# Altium PCB ANTS-DCU_RevB1.PCBDOC (part 1 of 3)
Units mm, origin at the board's own origin, x right, y up, seen from the top; angles counter-clockwise.
Board outline 195.05 x 85.05 mm, 2 copper layers (TopLayer, BottomLayer); 186 components, 183 nets, 986 pads, 355 vias.
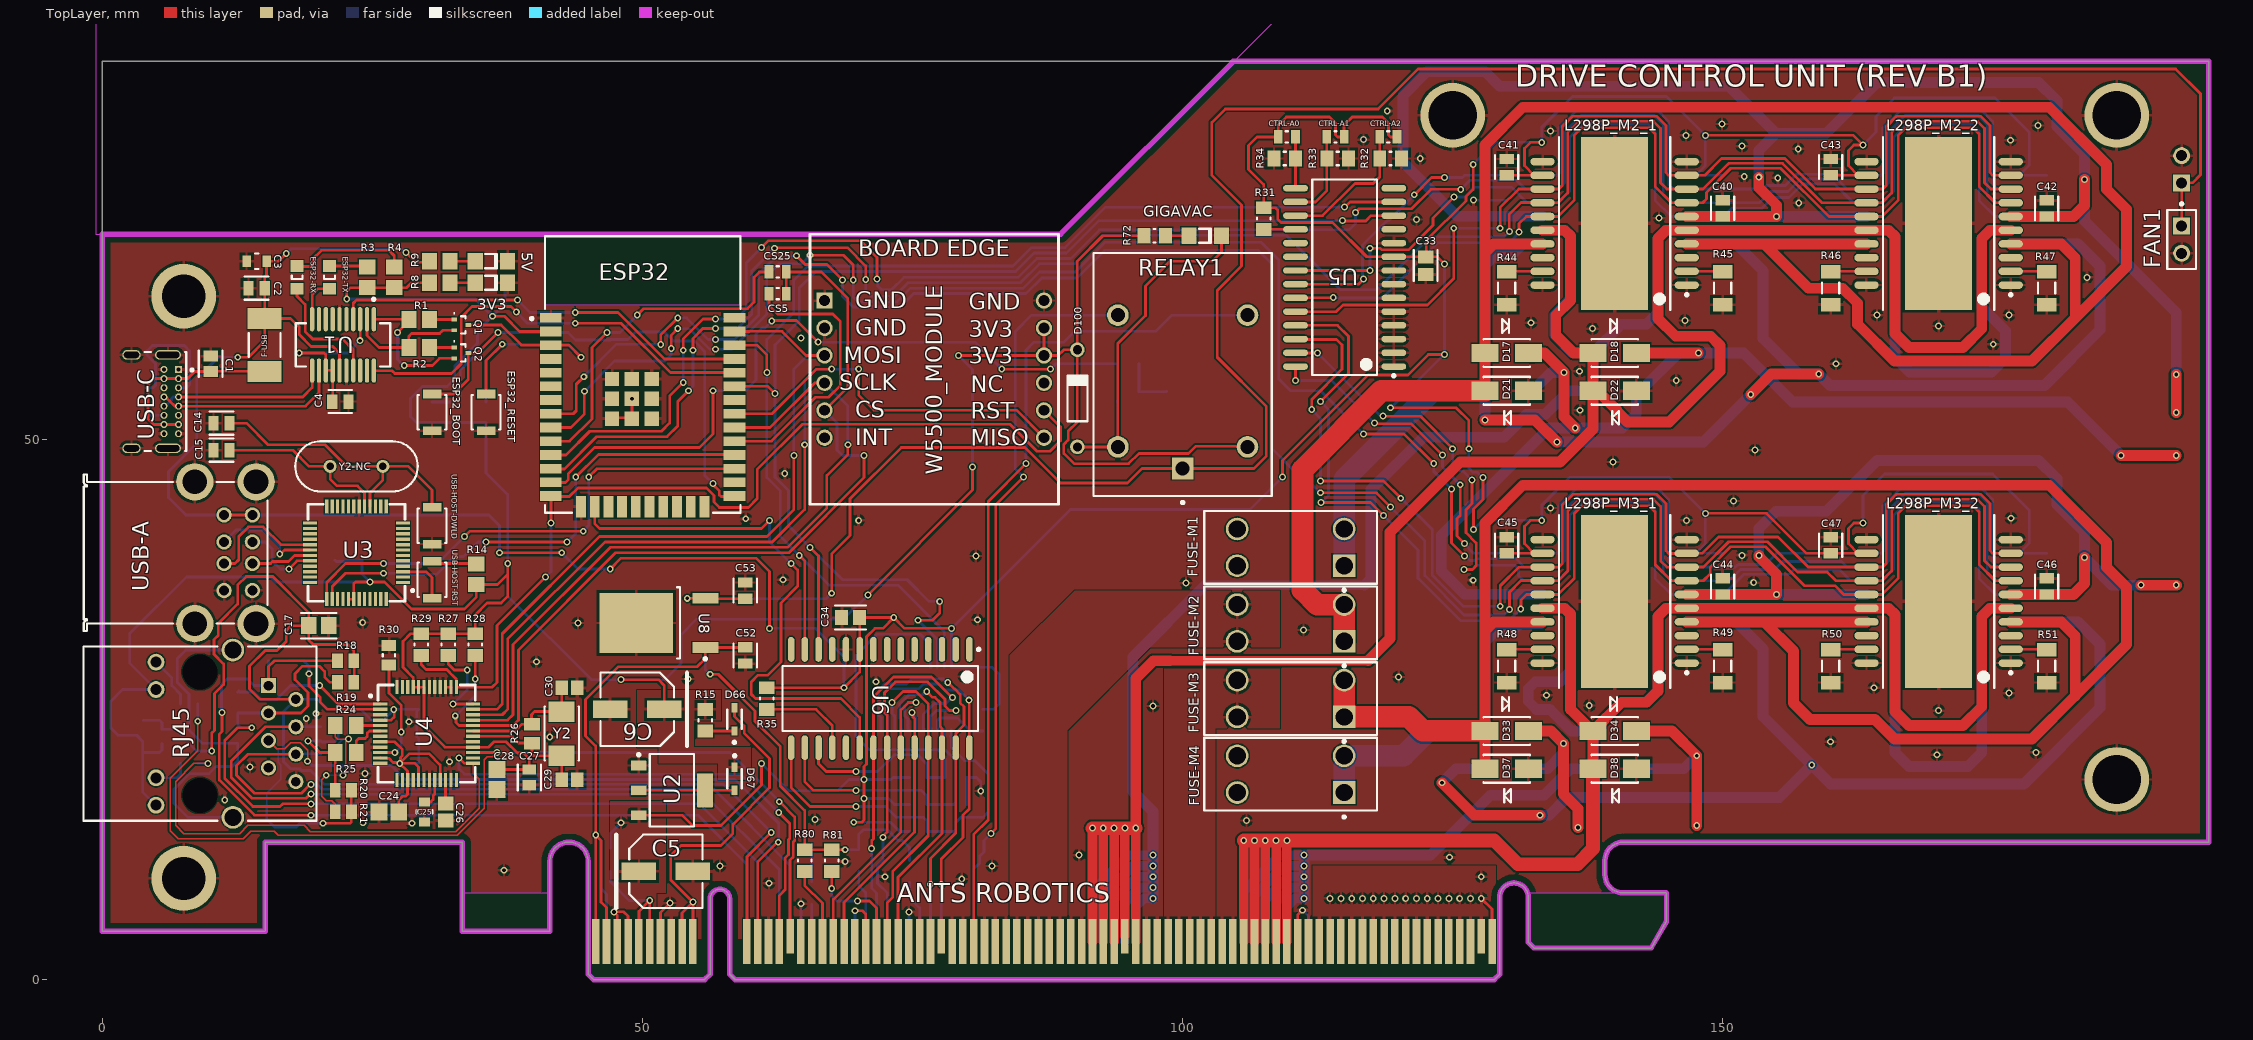
[diagram p0: TopLayer view]
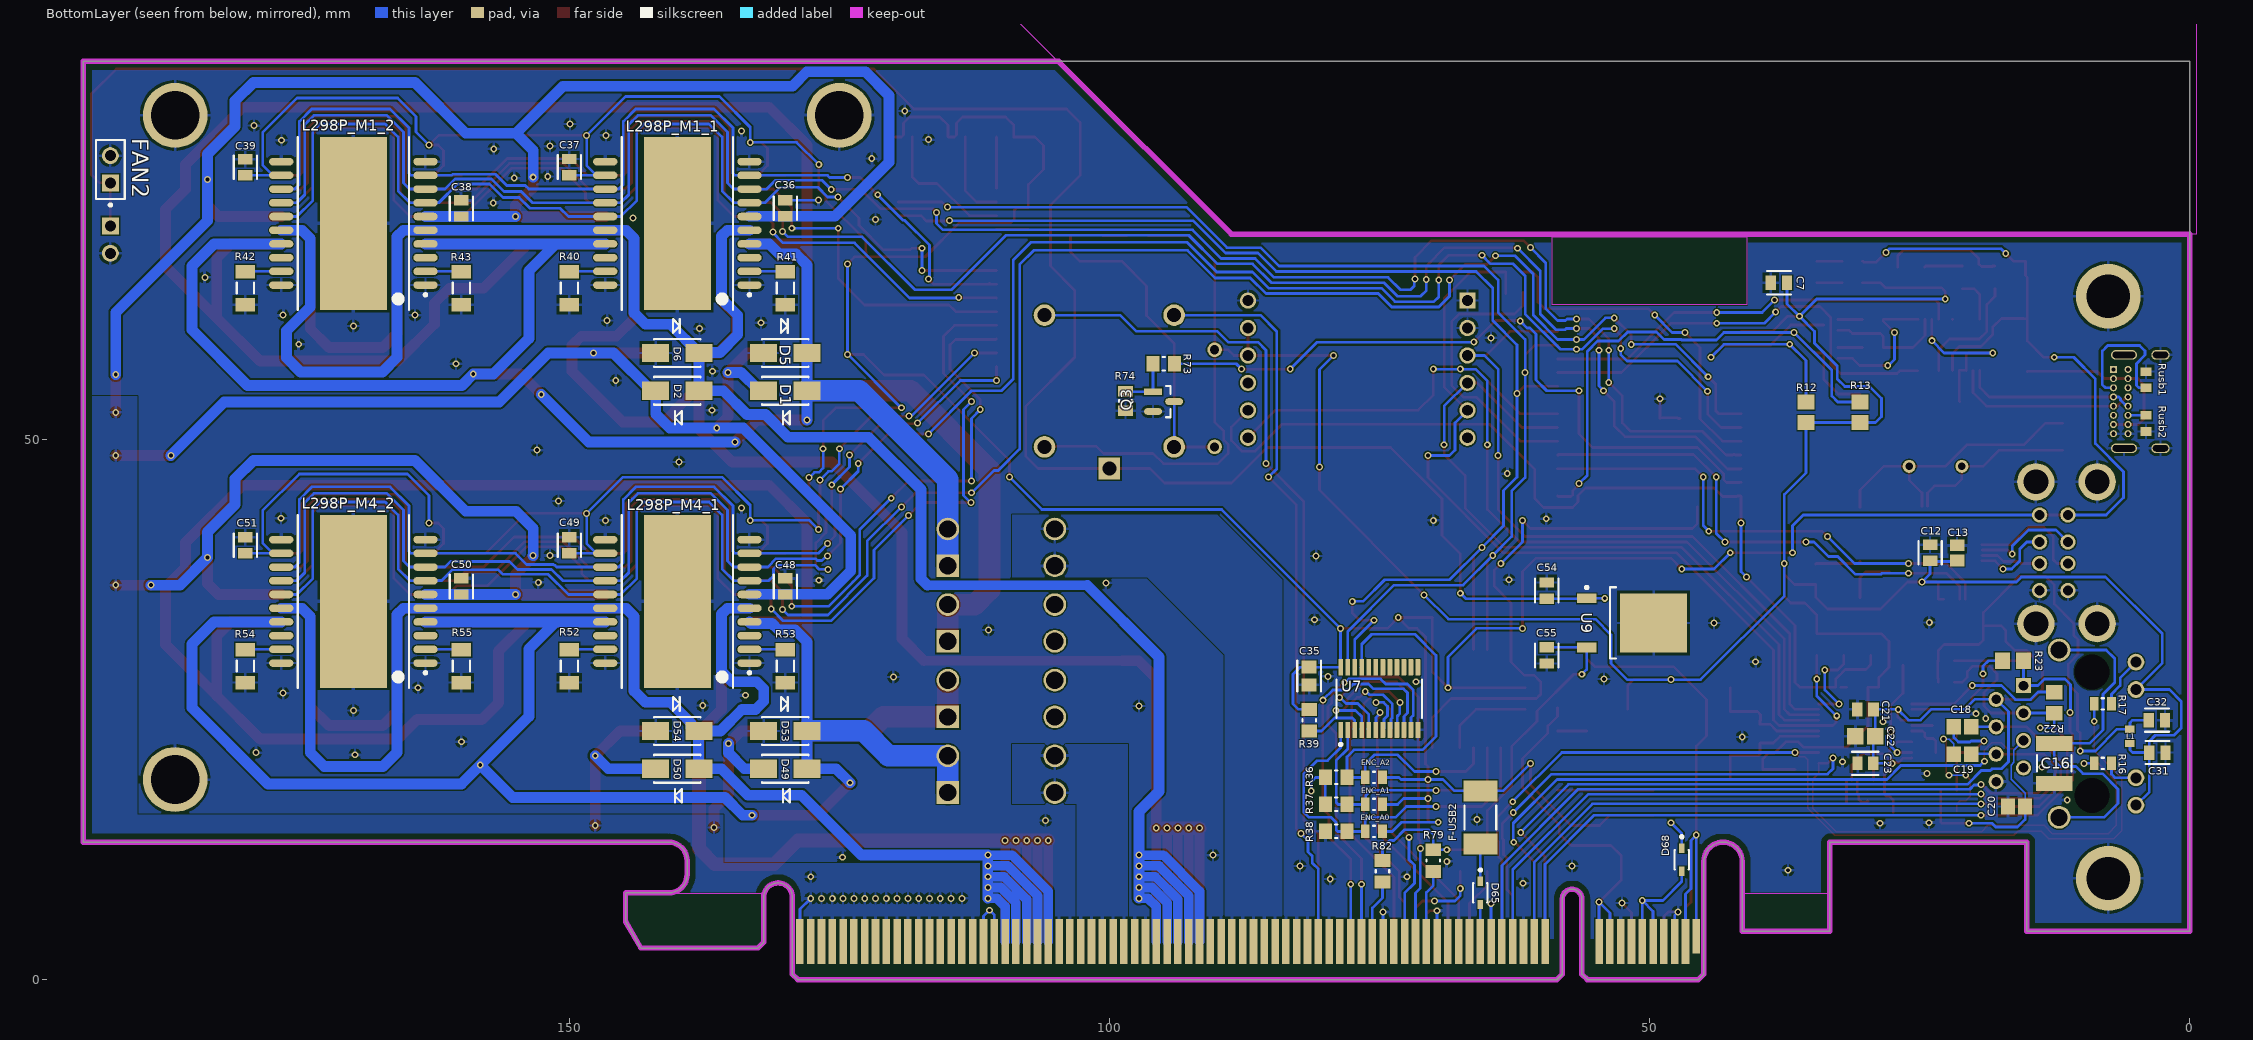
[diagram p1: BottomLayer view, seen from below]
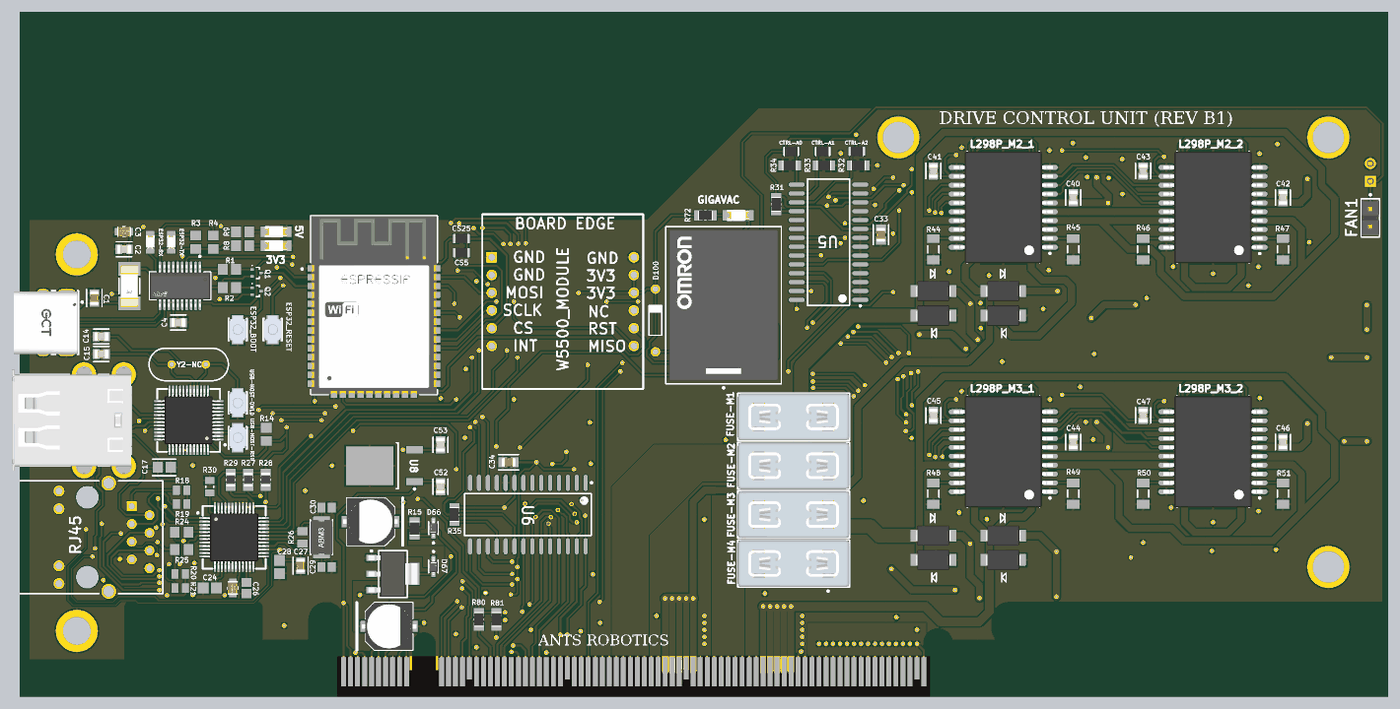
[diagram p4: 3D render of the assembled board from above, using the file's embedded part models]
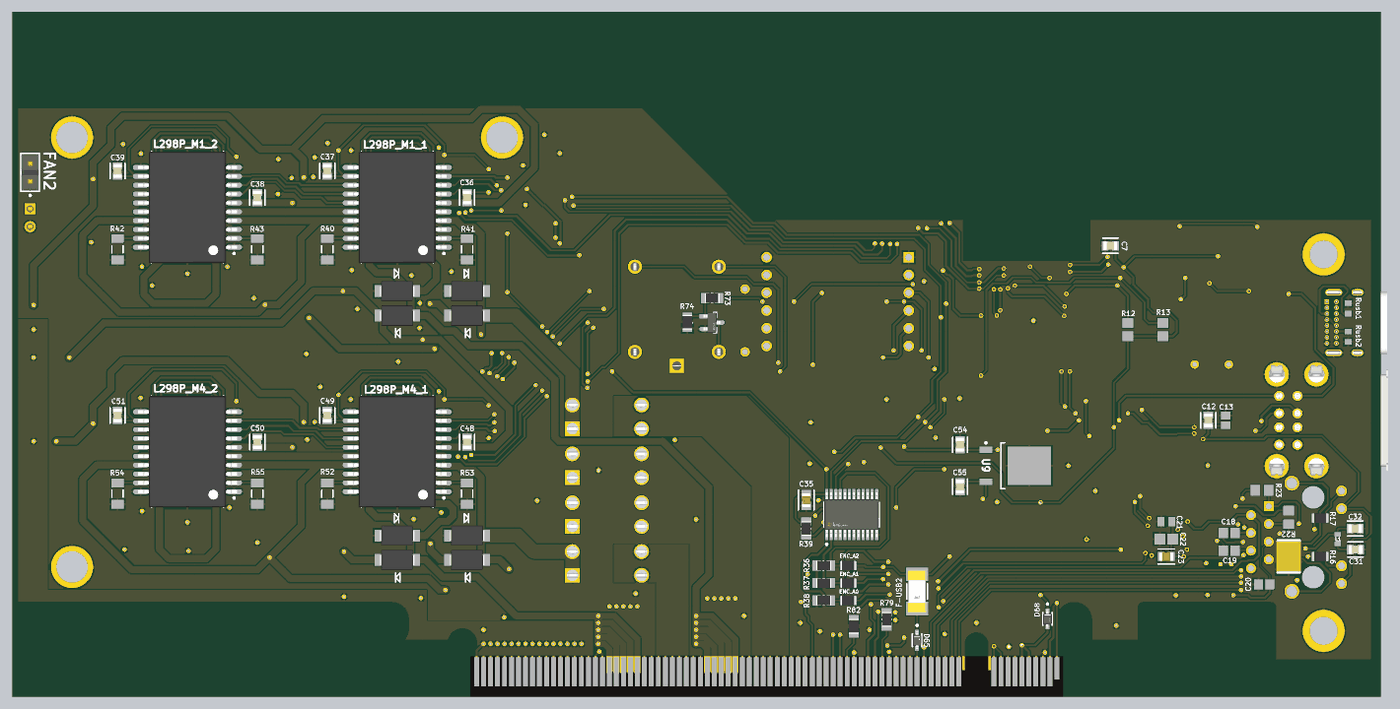
[diagram p5: 3D render of the assembled board from below, using the file's embedded part models]

## Layer stack, top to bottom
TopSolder: solder mask 0.0102, Solder Resist, Dk 3.5
TopLayer: signal copper 0.035
Dielectric1: core 0.32, FR-4, Dk 4.8
BottomLayer: signal copper 0.035
BottomSolder: solder mask 0.0102, Solder Resist, Dk 3.5

## Board outline
44.965,0.464 cw(c45,0.5) 44.95,0.5 44.95,10.925 ccw(c43.175,10.925) 41.4,10.925 41.4,4.5 cw(c41.35,4.5) 41.35,4.45 33.35,4.45 cw(c33.35,4.5) 33.3,4.5 33.3,12.7 15.05,12.7 15.05,4.5 cw(c15,4.5) 15,4.45 0,4.45 cw(c0,4.5) -0.05,4.5 -0.05,85 195,85 195,12.7 140.8,12.7 ccw(c140.8,11) 139.1,11 139.1,9.7 ccw(c140.8,9.7) 140.8,8 144.75,8 cw(c144.75,7.95) 144.8,7.95 144.8,5.375 cw(c144.751,5.375) 144.794,5.35 143.394,2.925 cw(c143.35,2.95) 143.35,2.9 132.55,2.9 cw(c132.55,2.95) 132.514,2.915 132.014,3.414 cw(c132.05,3.45) 132,3.45 132,7.605 ccw(c130.675,7.605) 130.675,8.93 ccw(c130.675,7.605) 129.35,7.605 129.35,0.5 cw(c129.301,0.5) 129.335,0.464 128.836,-0.036 cw(c128.8,0) 128.8,-0.05 58.6,-0.05 cw(c58.6,0) 58.564,-0.035 58.064,0.464 cw(c58.1,0.5) 58.05,0.5 58.05,7.45 ccw(c57.15,7.45) 56.25,7.45 56.25,0.5 cw(c56.201,0.5) 56.235,0.464 55.736,-0.036 cw(c55.7,-0.001) 55.7,-0.05 45.5,-0.05 cw(c45.5,0) 45.464,-0.035
cut-out: -0.65,69 88.7,69 117.65,97.95 -0.65,97.95

## Design rules (kind name [scope] priority, off if disabled: settings)
BoardOutlineClearance [All] p1: gap=0.8 ignorepadtopadclearanceinfootprint=FALSE
Clearance [All] p1: gap=0.127 ignorepadtopadclearanceinfootprint=FALSE except(0: SMDPad-Hole THPad-Hole Via-Hole Fill-Hole Poly-Hole Region-Hole Text-Hole; 0.063: SMDPad-SMDPad SMDPad-Via; 0.2: Arc-Arc Arc-Track Arc-SMDPad Arc-Fill Arc-Poly Arc-Region Arc-Text Arc-Hole Track-Track Track-SMDPad Track-Fill Track-Poly Track-Region Track-Text Track-Hole; 0.254: Arc-THPad Arc-Via Track-THPad Track-Via Via-Via)
ComponentClearance [All] p1: gap=0 collisioncheckmode=3 verticalgap=0.063 showdistances=FALSE
FabricationTestPointUsage TestPointUsage [All] p1: valid=0 allowmultiple=FALSE
FabricationTestpoint Testpoint [All] p1: side=3 testpointundercomponent=TRUE minsize=1.016 maxsize=2.54 preferedsize=1.524 minholesize=0.508 maxholesize=1.016 preferedholesize=0.813 testpointgrid=0.025 allowsidetop=TRUE allowsidebottom=TRUE usegrid=TRUE gridtolerance=0
Height "PCI Express, Page 84, \"Component Height Constraints\" for solder side" [OnBottomLayer] p1: minheight=0 maxheight=2.67 prefheight=2.67
Height "PCI Express, Page 84, \"Component Height Constraints\" for component side" [OnTopLayer] p2: minheight=0 maxheight=14.47 prefheight=14.47
PlaneClearance [All] p1: clearance=0
PolygonConnect [All] p1: connectstyle=Relief reliefconductorwidth=0.254 reliefentries=4 polygonreliefangle="90 Angle" airgapwidth=0.254
RoutingVias [All] p1: holewidth=0.711 width=1.27 viastyle="Through Hole" minholewidth=0.711 minwidth=1.27 maxholewidth=0.711 maxwidth=1.27
SilkToSolderMaskClearance SilkscreenOverComponentPads [IsPad] p1: minsilkscreentomaskgap=0.254 clearancetoexposedcopper=TRUE
SolderMaskExpansion [All] p1: expansion=0 istentingtop=FALSE
Width [All] p1: maxlimit=5 minlimit=0.127 preferedwidth=0.254 minimp=50.000000 maximp=50.000000 favimp=50.000000
24 further rules are at their usual default settings.

## Classes and differential pairs
component class USB-HOST: C12 C13 C14 C15 R14 U3 USB-A USB-HOST-DWLD USB-HOST-RST Y2-NC
component class USB-ESP32: 3V3 5V C1 C2 C3 C4 C5 C6 D65 D66 D67 D68 ESP32-RX ESP32-TX F-USB F-USB2 Q1 Q2 R1 R2 R3 R4 R8 R9 R15 Rusb1 Rusb2 U1 U2
component class RELAYS: C52 C53 C54 C55 D100 GIGAVAC Q3 R72 R73 R74 RELAY1 U8 U9
component class "MCP23017 - ENCODER": C34 C35 ENC_A0 ENC_A1 ENC_A2 R35 R36 R37 R38 R39 U6 U7
component class "MCP23017 - CONTROL": C33 CTRL-A0 CTRL-A1 CTRL-A2 R31 R32 R33 R34 U5
component class MOTOR4: C48 C49 C50 C51 D49 D50 D53 D54 FUSE-M4 L298P_M4_2 R52 R53 R54 R55
component class MOTOR3: C44 C45 C46 C47 D33 D34 D37 D38 FUSE-M3 L298P_M3_1 L298P_M3_2 R48 R49 R50 R51
component class MOTOR2: C40 C41 C42 C43 D17 D18 D21 D22 FUSE-M2 L298P_M2_1 L298P_M2_2 R44 R45 R46 R47
component class MOTOR1: C36 C37 C38 C39 D1 D2 D5 D6 FUSE-M1 L298P_M1_1 R40 R41 R42 R43
component class Ethernet: C16 C17 C18 C19 C20 C21 C22 C23 C24 C25 C26 C27 C28 C29 C30 C31 C32 L1 R16 R17 R18 R19 R20 R21 R22 R23 R24 R25 R26 R27 R28 R29 R30 RJ45 U4 W5500_MODULE Y2
component class ESP32: C7 CS5 CS25 ESP32 ESP32_BOOT ESP32_RESET R12 R13
component class CONN: "ANTS ROBOTICS" FAN1 FAN2 R79 R80 R81 R82

## Components (designator, comment, footprint, x,y, rotation, side; value= is the part's Value field where it differs from the comment)
3V3 "150120GS75000" 1206_A 36,64.5 r180 top
5V "150120GS75000" 1206_A 36,66.5 r180 top
"ANTS ROBOTICS" "PCIeX16" PCIeX16 0,0 r0 top
C1 "10uF 25V 0805" FP-GRM21B-0_15-IPC_C 10,57 r90 top
C2 "0.1uF 50V 0805" FP-C0805C-DN-MFG 14.25,64 r180 top value="0.10 μF"
C3 "4.7uF 50V 0805" FP-C2012-125-MFG 14.25,66.5 r180 top value=4.7uF
C4 "0.1uF 50V 0805" FP-C0805C-DN-MFG 22,53.5 r0 top value="0.10 μF"
C5 "10uF 50V" PNSC-FK-V-D_V 52.15,10 r0 top
C6 "10uF 50V" PNSC-FK-V-D_V 49.5,25 r180 top
C7 "10uF 10V 0805" FP-C0805C-DG-MFG 38,64.5 r0 bottom value=10uF
C12 "0.1uF 16V 0805" FP-C0805C-DN-MFG 24,39.5 r90 bottom value="0.10 μF"
C13 "3.3uF 10V 0805" CAPC2013X140X50LL20T25 21.5,39.5 r270 bottom
C14 "30pF 100V 0805" FP-C0805C-DN-MFG 11,51.5 r180 top value="22 pF"
C15 "30pF 100V 0805" FP-C0805C-DN-MFG 11,49 r180 top value="22 pF"
C16 "1nF / 2kV" CAPC4532X155X60LL30T35 12.5,20 r270 bottom
C17 "22nF 50V 0805" FP-CL21-IPC_A 20,32.75 r0 top
C18 "6.8nF 50V 0805" CAPC2013X94X50NL20T25 21,23.385 r0 bottom
C19 "6.8nF 50V 0805" CAPC2013X94X50NL20T25 21,20.845 r0 bottom
C20 "10nF 50V 0805" CAPC2013X140X50NL20T25 16,16 r180 bottom
C21 "1uF 50V 0805" CAPC2013X135X45LL10T25 30,25 r180 bottom
C22 "0.1uF 50V 0805" CAPC2013X94X50ML20T25 30,22.5 r180 bottom
C23 "10uF 16V 0805" FP-GRM21B-0_1-IPC_C 30,20 r0 bottom
C24 "0.1uF 50V 0805" CAPC2013X94X50ML20T25 26.5,15.5 r0 top
C25 "4.7uF 50V 0805" FP-C2012-125-MFG 29.8,15.5 r270 top value=4.7uF
C26 "10nF 50V 0805" CAPC2013X140X50NL20T25 31.75,15.5 r90 top
C27 "10uF 16V 0805" FP-GRM21B-0_1-IPC_C 39.5,18.7 r270 top
C28 "0.1uF 50V 0805" CAPC2013X94X50ML20T25 36.5,18.5 r90 top
C29 "18pF 50V 0805" CAPC2013X71X50LL20T25 43.225,18.5 r180 top
C30 "18pF 50V 0805" CAPC2013X71X50LL20T25 43.225,27 r180 top
C31 "0.1uF 50V 0805" FP-C0805C-DN-MFG 2.95,21 r180 bottom value="0.10 μF"
C32 "0.1uF 50V 0805" FP-C0805C-DN-MFG 3,24 r180 bottom value="0.10 μF"
C33 "10uF 25V 0805" FP-GRM21B-0_15-IPC_B 122.5,66.079 r270 top
C34 "10uF 25V 0805" FP-GRM21B-0_15-IPC_B 69.25,33.5 r180 top
C35 "10uF 25V 0805" FP-GRM21B-0_15-IPC_B 81.5,28.074 r270 bottom
C36 "0.1uF 50V 0805" FP-C0805C-DN-MFG 130,71.4 r90 bottom value="0.10 μF"
C37 "0.1uF 50V 0805" FP-C0805C-DN-MFG 150,75.2 r90 bottom value="0.10 μF"
C38 "0.1uF 50V 0805" FP-C0805C-DN-MFG 160,71.385 r90 bottom value="0.10 μF"
C39 "0.1uF 50V 0805" FP-C0805C-DN-MFG 180,75.195 r90 bottom value="0.10 μF"
C40 "0.1uF 50V 0805" FP-C0805C-DN-MFG 150,71.4 r90 top value="0.10 μF"
C41 "0.1uF 50V 0805" FP-C0805C-DN-MFG 130,75.2 r90 top value="0.10 μF"
C42 "0.1uF 50V 0805" FP-C0805C-DN-MFG 180,71.385 r90 top value="0.10 μF"
C43 "0.1uF 50V 0805" FP-C0805C-DN-MFG 160,75.2 r90 top value="0.10 μF"
C44 "0.1uF 50V 0805" FP-C0805C-DN-MFG 150,36.385 r90 top value="0.10 μF"
C45 "0.1uF 50V 0805" FP-C0805C-DN-MFG 130,40.195 r90 top value="0.10 μF"
C46 "0.1uF 50V 0805" FP-C0805C-DN-MFG 180,36.385 r90 top value="0.10 μF"
C47 "0.1uF 50V 0805" FP-C0805C-DN-MFG 160,40.195 r90 top value="0.10 μF"
C48 "0.1uF 50V 0805" FP-C0805C-DN-MFG 130,36.385 r90 bottom value="0.10 μF"
C49 "0.1uF 50V 0805" FP-C0805C-DN-MFG 150,40.195 r90 bottom value="0.10 μF"
C50 "0.1uF 50V 0805" FP-C0805C-DN-MFG 160,36.385 r90 bottom value="0.10 μF"
C51 "0.1uF 50V 0805" FP-C0805C-DN-MFG 180,40.195 r90 bottom value="0.10 μF"
C52 "330nF 50V 0805" FP-C0805C-DN-MFG 59.5,30 r270 top value="0.33 μF"
C53 "330nF 50V 0805" FP-C0805C-DN-MFG 59.5,36 r90 top value="0.33 μF"
C54 "330nF 50V 0805" FP-C0805C-DN-MFG 59.5,36 r90 bottom value="0.33 μF"
C55 "330nF 50V 0805" FP-C0805C-DN-MFG 59.5,30 r270 bottom value="0.33 μF"
CS5 "SOLDER-PAD" RESC2013X60X35LL10T20 62.5,63.5 r0 top
CS25 "SOLDER-PAD" RESC2013X60X35LL10T20 62.5,65.5 r0 top
CTRL-A0 "D.N.P" RESC2013X60X35LL10T20 109.65,78 r180 top
CTRL-A1 "D.N.P" RESC2013X60X35LL10T20 114.15,78 r0 top
CTRL-A2 "D.N.P" RESC2013X60X35LL10T20 119.05,78 r0 top
D1 "US1K-13-F" DIOD-SMA-2_A_V 130,54.5 r0 bottom
D2 "US1K-13-F" DIOD-SMA-2_A_V 140,54.5 r0 bottom
D5 "US1K-13-F" DIOD-SMA-2_A_V 130,58 r180 bottom
D6 "US1K-13-F" DIOD-SMA-2_A_V 140,58 r180 bottom
D17 "US1K-13-F" DIOD-SMA-2_A_V 130,58 r0 top
D18 "US1K-13-F" DIOD-SMA-2_A_V 140,58 r0 top
D21 "US1K-13-F" DIOD-SMA-2_A_V 130,54.5 r180 top
D22 "US1K-13-F" DIOD-SMA-2_A_V 140,54.5 r180 top
D33 "US1K-13-F" DIOD-SMA-2_A_V 130,23 r0 top
D34 "US1K-13-F" DIOD-SMA-2_A_V 140,23 r0 top
D37 "US1K-13-F" DIOD-SMA-2_A_V 130,19.5 r180 top
D38 "US1K-13-F" DIOD-SMA-2_A_V 140,19.5 r180 top
D49 "US1K-13-F" DIOD-SMA-2_A_V 130,19.5 r0 bottom
D50 "US1K-13-F" DIOD-SMA-2_A_V 140,19.5 r0 bottom
D53 "US1K-13-F" DIOD-SMA-2_A_V 130,23 r180 bottom
D54 "US1K-13-F" DIOD-SMA-2_A_V 140,23 r180 bottom
D65 "BAT20JFILM" FP-BAT20JFILM-MFG 65.65,8 r270 bottom
D66 "BAT20JFILM" FP-BAT20JFILM-MFG 58.5,24.07 r90 top
D67 "BAT20JFILM" FP-BAT20JFILM-MFG 58.5,18.57 r270 top
D68 "BAT20JFILM" FP-BAT20JFILM-MFG 47,11.07 r270 bottom
D100 "1N4148" NXP-SOD27-2_V 90.25,53.8 r90 top
ENC_A0 "D.N.P" RESC2013X60X35LL10T20 75.5,13.7 r180 bottom
ENC_A1 "D.N.P" RESC2013X60X35LL10T20 75.5,16.2 r180 bottom
ENC_A2 "D.N.P" RESC2013X60X35LL10T20 75.5,18.7 r180 bottom
ESP32 "ESP32-WROOM-32D" FP-ESP32-WROOM-32D-MFG 50,56 r0 top
ESP32-RX "150080YS75000" 0805_A 18,65 r90 top
ESP32-TX "150080YS75000" 0805_A 21,65 r90 top
ESP32_BOOT "B3U-1000P" FP-B3U-1000P-MFG 30.5,52.5 r90 top
ESP32_RESET "B3U-1000P" FP-B3U-1000P-MFG 35.5,52.5 r90 top
F-USB "0451002.MRL" FP-0451-MFG 15,58.726 r90 top value=0.0367Ω
F-USB2 "0451002.MRL" FP-0451-MFG 65.65,15 r90 bottom value=0.0367Ω
FAN1 "TSW-102-07-G-S" FP-TSW-102-07-G-S-MFG 192.5,68.5 r270 top
FAN2 "TSW-102-07-G-S" FP-TSW-102-07-G-S-MFG 192.5,75 r90 bottom
FUSE-M1 "3568" KSTN-3568_V 110,40 r180 top
FUSE-M2 "3568" KSTN-3568_V 110,33 r180 top
FUSE-M3 "3568" KSTN-3568_V 110,26 r180 top
FUSE-M4 "3568" KSTN-3568_V 110,19 r180 top
GIGAVAC "150120YS75000" 1206_A 102.1,68.85 r180 top
L1 "HH-1M1608-121JT" CTC-1608_L 5.5,22.5 r90 bottom
L298P_M1_1 "L298P" L298P 140,70 r0 bottom
L298P_M1_2 "L298P" L298P 170,70 r0 bottom
L298P_M2_1 "L298P" L298P 140,70 r180 top
L298P_M2_2 "L298P" L298P 170,70 r180 top
L298P_M3_1 "L298P" L298P 140,35 r180 top
L298P_M3_2 "L298P" L298P 170,35 r180 top
L298P_M4_1 "L298P" L298P 140,35 r0 bottom
L298P_M4_2 "L298P" L298P 170,35 r0 bottom
Q1 "MMBT2222ATT1G" ONSC-SC-75-3-463-01_V 33.2,60.6 r0 top
Q2 "MMBT2222ATT1G" ONSC-SC-75-3-463-01_V 33.2,58 r0 top
Q3 "MMBT2222A-7-F" FP-SOT23-IPC_A 94.977,53.5 r180 bottom
R1 "10K 5% 0805" RESC2013X60X40ML20T25 29.3,61.1 r180 top
R2 "10K 5% 0805" RESC2013X60X40ML20T25 29.3,58.5 r180 top
R3 "330R 5% 0805" RESC2013X60X40ML20T25 24.5,65 r90 top
R4 "330R 5% 0805" RESC2013X60X40ML20T25 27,65 r90 top
R8 "1K 5% 0805" RESC2013X60X40ML20T25 31.2,64.5 r180 top
R9 "1K 5% 0805" RESC2013X60X40ML20T25 31.2,66.5 r180 top
R12 "10K 5% 0805" RESC2013X60X40ML20T25 35.5,52.5 r270 bottom
R13 "10K 5% 0805" RESC2013X60X40ML20T25 30.5,52.5 r270 bottom
R14 "10K 5% 0805" RESC2013X60X40ML20T25 34.6,37.5 r270 top
R15 "0R 5% 0805" RESC2013X60X35ML10T20 55.8,24 r90 top
R16 "330R 5% 0805" RESC2013X60X35LL10T20 8,20 r0 bottom
R17 "330R 5% 0805" RESC2013X60X35LL10T20 8,25.5 r0 bottom
R18 "49R9 1% 0805" RESC2013X60X40LL20T25 22.5,29.5 r0 top
R19 "49R9 1% 0805" RESC2013X60X40LL20T25 22.5,27.5 r0 top
R20 "49R9 1% 0805" RESC2013X60X40LL20T25 22.275,17.5 r180 top
R21 "49R9 1% 0805" RESC2013X60X40LL20T25 22.275,15.5 r180 top
R22 "3R3 1% 0805" RESC2013X70X40ML20T20 12.5,25.6 r90 bottom
R23 "3R3 1% 0805" RESC2013X70X40ML20T20 16.325,29.5 r0 bottom
R24 "3R3 1% 0805" RESC2013X70X40ML20T20 22.5,23.5 r0 top
R25 "3R3 1% 0805" RESC2013X70X40ML20T20 22.5,21 r0 top
R26 "1M 5% 0805" RESC2013X70X40NL20T20 39.75,22.75 r90 top
R27 "4K7 1% 0805" YAGO-RC0805_M 32,31 r90 top
R28 "4K7 1% 0805" YAGO-RC0805_M 34.5,31 r90 top
R29 "4K7 1% 0805" YAGO-RC0805_M 29.5,31 r90 top
R30 "12K4 1% 0805" RESC2013X60X35NL10T20 26.5,30 r270 top
R31 "10K 1% 0805" RESC2013X60X35ML10T20 107.5,70.445 r270 top
R32 "10K 1% 0805" RESC2013X60X35ML10T20 119.25,76 r0 top
R33 "10K 1% 0805" RESC2013X60X35ML10T20 114.35,76 r0 top
R34 "10K 1% 0805" RESC2013X60X35ML10T20 109.45,76 r180 top
R35 "10K 1% 0805" RESC2013X60X35ML10T20 61.5,26 r270 top
R36 "10K 1% 0805" RESC2013X60X35ML10T20 79,18.7 r0 bottom
R37 "10K 1% 0805" RESC2013X60X35ML10T20 79,16.2 r0 bottom
R38 "10K 1% 0805" RESC2013X60X35ML10T20 79,13.7 r0 bottom
R39 "10K 1% 0805" RESC2013X60X35ML10T20 81.5,24 r90 bottom
R40 "0R15 1% 1206" RESC3116X65X40ML10T20 150,64 r90 bottom
R41 "0R15 1% 1206" RESC3116X65X40ML10T20 130,64 r90 bottom
R42 "0R15 1% 1206" RESC3116X65X40ML10T20 180,64 r90 bottom
R43 "0R15 1% 1206" RESC3116X65X40ML10T20 160,64 r90 bottom
R44 "0R15 1% 1206" RESC3116X65X40ML10T20 130,64 r90 top
R45 "0R15 1% 1206" RESC3116X65X40ML10T20 150,64 r90 top
R46 "0R15 1% 1206" RESC3116X65X40ML10T20 160,64 r90 top
R47 "0R15 1% 1206" RESC3116X65X40ML10T20 180,64 r90 top
R48 "0R15 1% 1206" RESC3116X65X40ML10T20 130,29 r90 top
R49 "0R15 1% 1206" RESC3116X65X40ML10T20 150,29 r90 top
R50 "0R15 1% 1206" RESC3116X65X40ML10T20 160,29 r90 top
R51 "0R15 1% 1206" RESC3116X65X40ML10T20 180,29 r90 top
R52 "0R15 1% 1206" RESC3116X65X40ML10T20 150,29 r90 bottom